# Altium PCB PCB.PcbDoc (part 2 of 4) (continued)
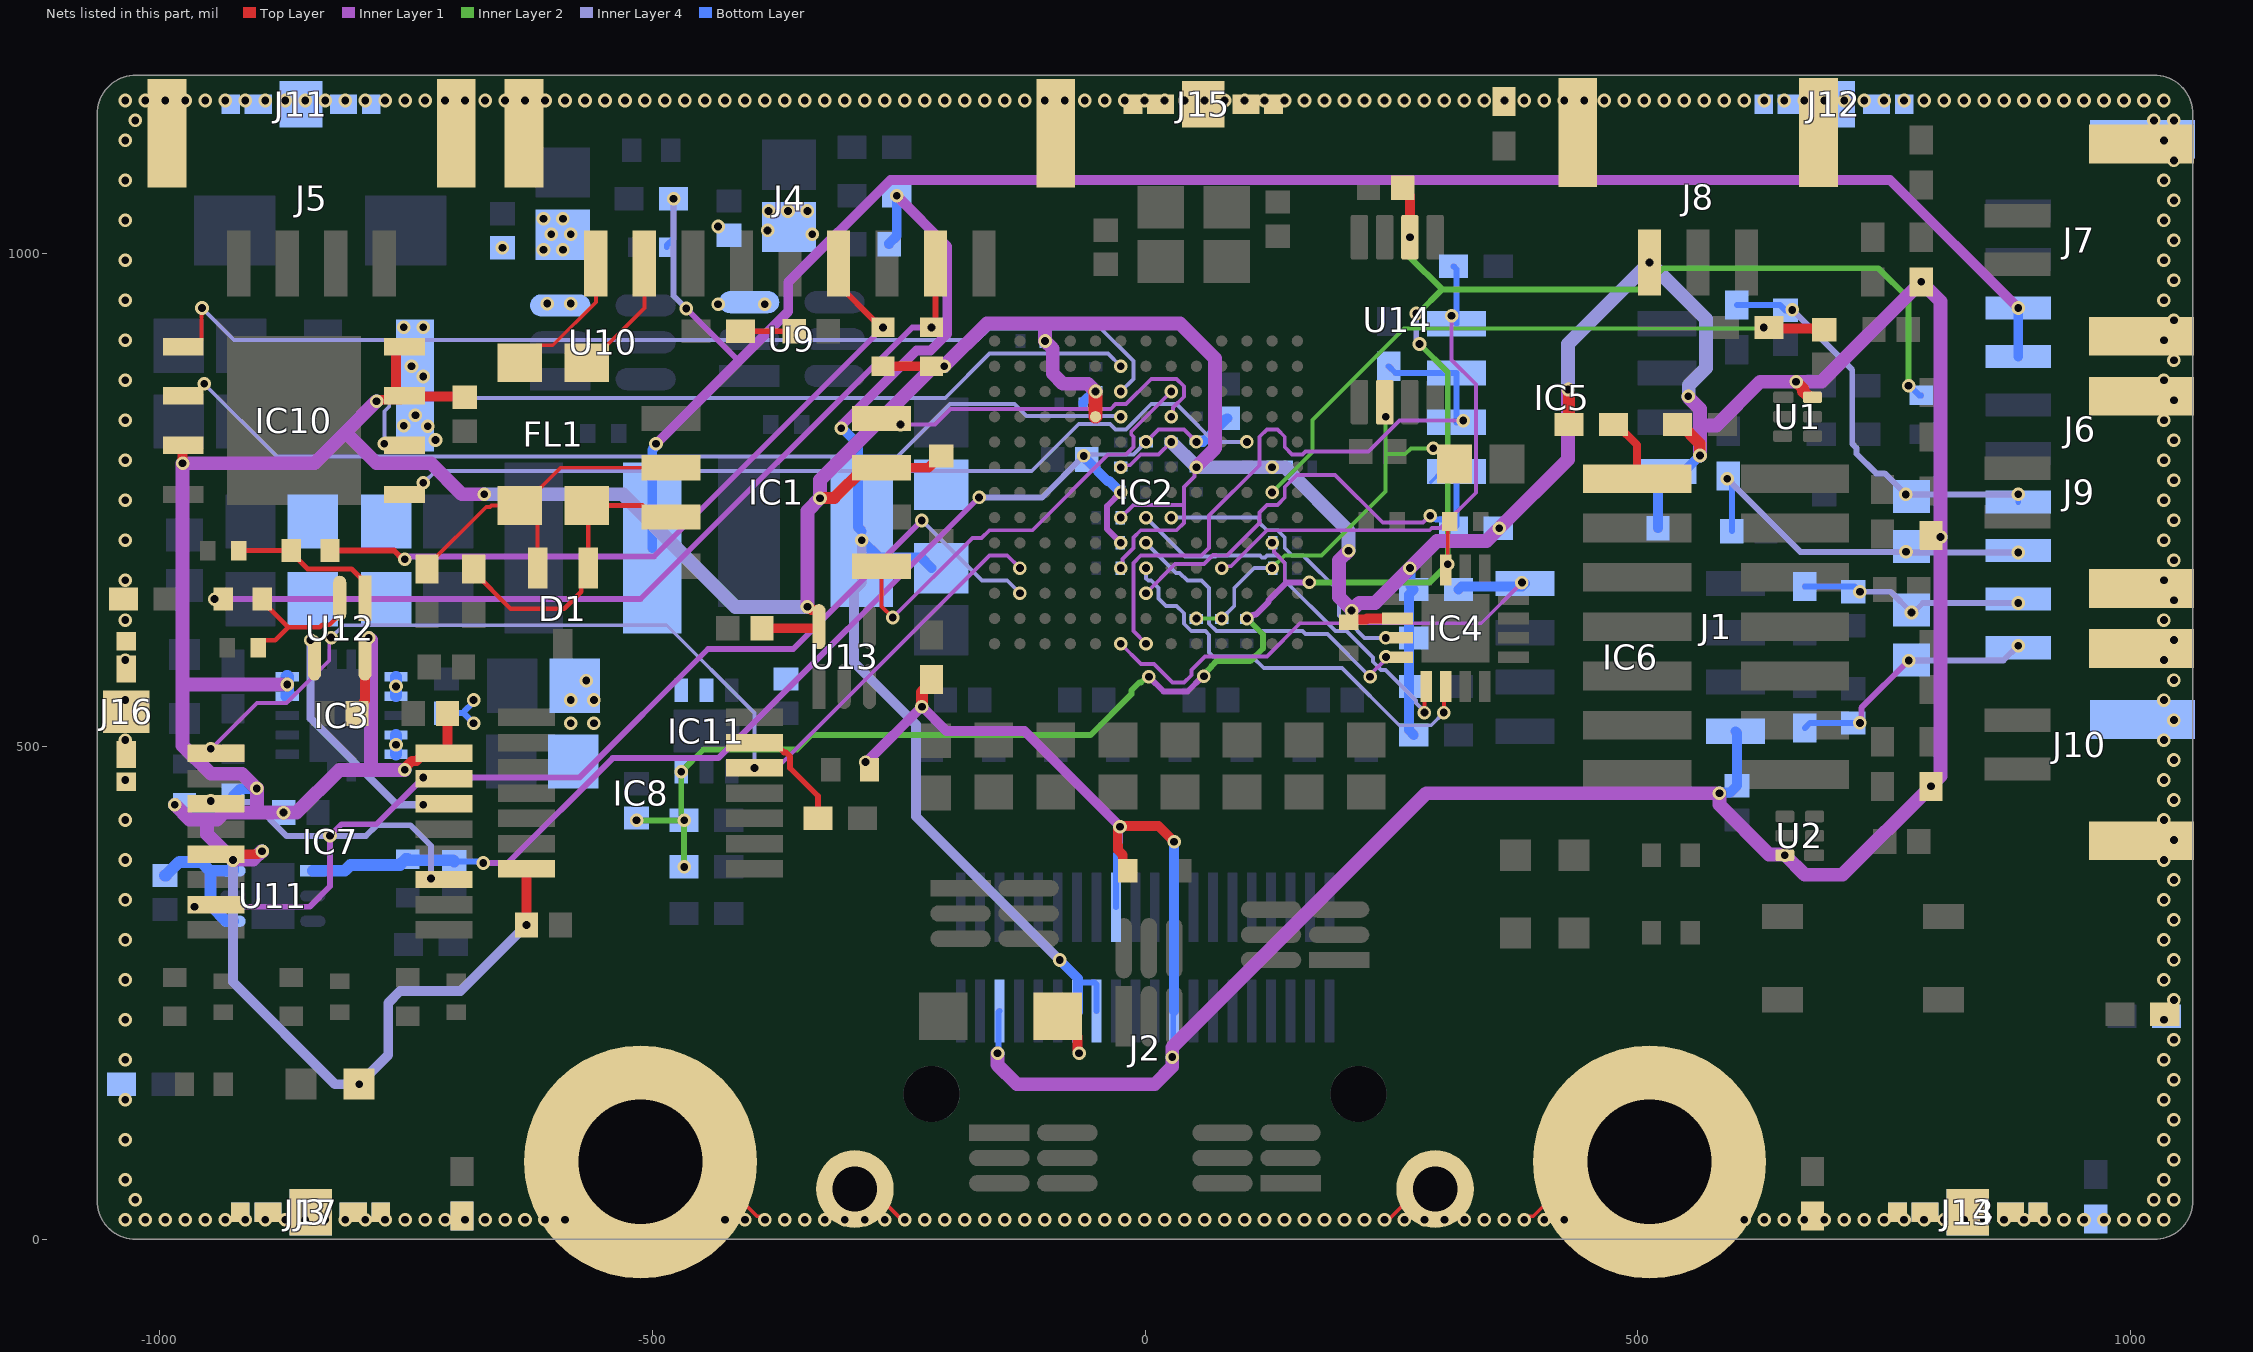
[diagram p6: the nets of this part, all layers, seen from the top]
## Part data (continued)
R62 R64 R65: library part RT0402FRE074K7L, "RES SMD 4.7K OHM 1% 1/16W 0402", Device Package="0402 (1005 Metric)", Manufacturer=Yageo, Operating Temperature="-55°C ~ 155°C", Power (Watts)="0.063W, 1/16W", Supplier Device Package=0402, Supplier Part Number 1=YAG3347CT-ND, Temperature Coefficient=±50ppm/°C, Tolerance=±1%, componentlink1description=Datasheet, componentlink1url=https://www.yageo.com/upload/media/product/productsearch/datasheet/rchip/PYu-RT_1-to-0.01_RoHS_L_11.pdf, ComponentLink2Description="DigiKey Link", ComponentLink2URL=https://www.digikey.com/en/products/detail/yageo/RT0402FRE074K7L/1072052, Composition="Thin Film", Height - Seated (Max)="0.014\" (0.35mm)", lastupdated="8/31/2025 3:04:17 PM", Lifecycle Status=Active, Minimum Order=1, Number of Terminations=2, Package / Case="0402 (1005 Metric)", packaging=TapeAndReel, Part Number=RT0402FRE074K7L, Part Status=Active, partid=3198, price=0.01, Resistance="4.7 kOhms", Series=RT, Size / Dimension="0.039\" L x 0.020\" W (1.00mm x 0.50mm)", Supplier 1=DigiKey
R63: library part 5112, "0402 JUMPER ON TAPE AND REEL", Device Package="0402 (1005 Metric)", Manufacturer="Keystone Electronics", Power (Watts)="0.5W, 1/2W", Supplier Device Package=0402, Supplier Part Number 1=36-5112-1-ND, Tolerance=Jumper, componentlink1description=Datasheet, componentlink1url=http://www.keystoneelectronics.net/ENG._DEPT/WEB_ORACLE/PDF/PDF%20CAT%20NO%20DRAWINGS/5000-5999/5112.PDF, ComponentLink2Description="DigiKey Link", ComponentLink2URL=https://www.digikey.com/en/products/detail/keystone-electronics/5112/9921836, Composition="Metal Element", Height - Seated (Max)="0.020\" (0.50mm)", lastupdated="2/9/2024 8:29:48 PM", Lifecycle Status=Active, Minimum Order=1, Number of Terminations=2, Package / Case="0402 (1005 Metric)", packaging=TapeAndReel, Part Number=5112, Part Status=Active, partid=12597, price=0.16, Resistance="0 Ohms", Series=-, Size / Dimension="0.039\" L x 0.020\" W (1.00mm x 0.50mm)", Supplier 1=DigiKey
R78: library part RC0402JR-07620RL, "RES 620 OHM 5% 1/16W 0402", Device Package="0402 (1005 Metric)", Manufacturer=Yageo, Operating Temperature="-55°C ~ 155°C", Power (Watts)="0.063W, 1/16W", Supplier Device Package=0402, Supplier Part Number 1=311-620JRCT-ND, Temperature Coefficient=±100ppm/°C, Tolerance=±5%, componentlink1description=Datasheet, componentlink1url=https://www.yageo.com/upload/media/product/productsearch/datasheet/rchip/PYu-RC_Group_51_RoHS_L_10.pdf, ComponentLink2Description="DigiKey Link", ComponentLink2URL=https://www.digikey.com/en/products/detail/yageo/RC0402JR-07620RL/726498, Composition="Thick Film", Features="Moisture Resistant", Height - Seated (Max)="0.016\" (0.40mm)", lastupdated="8/31/2025 3:04:15 PM", Lifecycle Status=Active, Minimum Order=1, Number of Terminations=2, Package / Case="0402 (1005 Metric)", packaging=CutTape, Part Number=RC0402JR-07620RL, Part Status=Active, partid=4894, price=0.01, Resistance="620 Ohms", Series=RC_L, Size / Dimension="0.039\" L x 0.020\" W (1.00mm x 0.50mm)", Supplier 1=DigiKey
S1: "Switch", Manufacturer_Name="ALPS Electric", Mouser Part Number=688-SKRPAB, Datasheet Link=https://tech.alpsalpine.com/e/products/detail/SKRPABE010/, Height=2.5mm, Manufacturer_Part_Number=SKRPABE010, Mouser Price/Stock=https://www.mouser.co.uk/ProductDetail/Alps-Alpine/SKRPABE010?qs=m0BA540hBPe1GpcSf%2FZ5Yw%3D%3D
U1 U2: library part CMP-0326-00024-3, "ESD-Protection Array for High-Speed Data Interfaces, 4 Channels, -40 to +85 degC, 6-pin SON (DRY), Green (RoHS & no Sb/Br)", Breakdown Voltage(Min)(V)=6, IO Capacitance(Typ)(pF)=1.6, IO Leakage Current(nA)=1, Manufacturer="Texas Instruments", 1394 / Firewire=TRUE, componentlink1description="Manufacturer URL", componentlink1url=http://www.ti.com/, ComponentLink2Description=Datasheet, ComponentLink2URL=http://www.ti.com/general/docs/lit/getliterature.tsp?genericPartNumber=TPD4E004&fileType=pdf, ComponentLink3Description="URL Link1", ComponentLink3URL=SamplesURL:http://www.ti.com/product/tpd4e004#samples, DatasheetVersion=SLVS729A, Eco-Plan="Green (RoHS & no Sb/Br)", IEC 61000-4-2 Air-Gap(+/- kV)=12, IEC 61000-4-2 Contact(+/- kV)=8, Mounting Technology="Surface Mount", PackageDescription="6-Pin Plastic Small Outline No-Lead, 1 x 1.45 x 0.6 mm Body, 0.5 mm Pitch", PackageReference=DRY0006A, PackageVersion="revF, Dec-2011", PartNumber=TPD4E004DRYR, Serial ATA / eSATA=TRUE, SubFamily="ESD Solution", USB High Speed=TRUE
U3 U4 U5 U6 U7: library part CMP-14432-000006-1, "TVS DIODE 3.3VWM 12VC 6TSSOP", RoHS Compliant=Yes
U9 U10: library part CMP-04918-000439-1, "IC REG BUCK ADJ 2A TSOT23-6", Case/Package=SOT-23-6, Max Input Voltage=28V, Max Operating Temperature=125°C, Min Input Voltage=4.5V, Min Operating Temperature=-40°C, Min Output Voltage=596mV, Output Current=2A, Quiescent Current=40uA, Switching Frequency=500kHz, Lead Free="Lead Free", Max Output Voltage=28V, Mount="Surface Mount", Number Of Outputs=1, Output Configuration=Positive, Output Type=Adjustable, packaging="Tape and Reel", RoHS Compliant=Yes, Synchronous Rectifier=Yes
U11: library part CMP-04917-000114-1, "IC REG LINEAR POS ADJ 1A 6WSON", RoHS Compliant=Yes
U12 U13: library part CMP-0859-00360-4, "IC GATE AND 1CH 2-INP SC70-5", High Level Output Current=-8mA, Low Level Output Current=8mA, Max Operating Temperature=125°C, Max Supply Voltage=5.5V, Min Operating Temperature=-40°C, Min Supply Voltage=1.8V, Output Current=25mA, Package Quantity=3000, Quiescent Current=1uA, Contact Plating=Gold, Lead Free="Lead Free", Logic Function="AND GATE", Mount="Surface Mount", Number of Bits=1, Number Of Circuits=1, Number of Gates=1, Number of Input Lines=2, Number Of Inputs=2, Number of Pins=5, packaging="Tape and Reel", Propagation Delay=7ns, Radiation Hardening=No, RoHS Compliant=Yes, Weight=0.000705oz
U14: library part CMP-0367-00265-2, "Low Noise, Very Low Drift, Precision Voltage Reference, -40 to 125 degC, 8-pin MSOP (DGK), Green (RoHS & no Sb/Br)", Manufacturer="Texas Instruments", Rating=Catalog, Temp Coeff(Max)(ppm/ degree C)=3, Code_JEDEC=MO-187, componentlink1description="Manufacturer URL", componentlink1url=http://www.ti.com/, ComponentLink2Description=Datasheet, ComponentLink2URL=http://www.ti.com/general/docs/lit/getliterature.tsp?genericPartNumber=REF5030&fileType=pdf, ComponentLink3Description="Package Specification", ComponentLink3URL=http://www.ti.com/litv/pdf/mpds028d, DatasheetVersion=SBOS410E, Eco-Plan="Green (RoHS & no Sb/Br)", Initial Accuracy @ 25/deg C(%)=0.05, Iout/Iz(Max)(mA)=10, Iq(Max)(uA)=1000, Mounting Technology="Surface Mount", PackageDescription="8-Pin Thin Small Outline Package 3 x 3 mm Body ,0.65 mm Pitch", PackageReference=DGK0008A, PackageVersion=4073329/E, PartNumber=REF5030IDGKR, SubFamily="Series Voltage Reference", VI(Max)(V)=18, VI(Min)(V)=3.2, VO(V)=3
Y1: library part FA-20H_25.0000MD30Y-C0, "Crystal or Oscillator", Arrow Part Number="FA-20H 25.0000MD30Y-C0", Manufacturer_Name="Epson Timing", Mouser Part Number=732-FA-20H25MD30Y-C0, Arrow Price/Stock=https://www.arrow.com/en/products/fa-20h25.0000md30y-c0/epson-electronics-america, Datasheet Link=https://support.epson.biz/td/api/doc_check.php?dl=brief_FA-20H&lang=en, Height=0.55mm, Manufacturer_Part_Number="FA-20H 25.0000MD30Y-C0", Mouser Price/Stock=https://www.mouser.co.uk/ProductDetail/Epson-Timing/FA-20H-25.0000MD30Y-C0?qs=f9yNj16SXrILXPvNJZKsVQ%3D%3D

## Free pads (board coordinates)
  round 236.22 hole 125.98: 5(-511.81,78.74) 6(511.81,78.74)

## Via types
v1: diameter 13.78, hole 7.87, Top Layer to Bottom Layer, tented both sides, 1477 vias
v2: diameter 13.78/13.78/13.78/13.78/13.78/13.78 (per signal layer), hole 7.87, Top Layer to Bottom Layer, tented both sides, 1 vias

## Nets (pads, with @x,y where several pads share a name; then routed paths per layer and width w, separated by ;. In a path a pad name is that pad's centre, name@x,y a point inside that pad or via, vN(x,y) a via of type N, cw(c..) or ccw(c..) an arc to the next point about the centre after c; other vN are vias at no path point)
+1V2: C3.1 C7.1 C11.1 C13.1 C15.1 C17.1 C42.2 IC2.F5 IC2.F7 IC2.G9 IC2.J9 R20.2 U11.1 | length 1243.3
  Inner Layer 1 w3.94: v1(0.98,809.06) 13.78,821.85 39.37,821.85 v1(52.17,809.06)
  Inner Layer 1 w6: v1(-671.24,381.89) -646.45,381.89 -540.11,488.24 -432.89,488.24 -168.4,752.73 v1(-168.31,752.73) ; v1(-24.61,706.69) -38.43,720.52 -38.43,744.05 v1(-24.61,757.87)
  Inner Layer 4 w3.94: v1(-62.14,794.9) -60.78,796.26 -11.81,796.26 v1(0.98,809.06)
  Inner Layer 4 w6: v1(-168.31,752.73) -104.31,752.73 v1(-62.14,794.9)
  Bottom Layer w6: C42.2@-700.79,383.46 -674.92,383.46 -673.35,381.89 v1(-671.24,381.89)
  Bottom Layer w10: C17.1@-59.06,791.34 -59.06,790.55 -38.1,769.6 -36.33,769.6 v1(-24.61,757.87) ; v1(52.17,809.06) 58.86,809.06 82.87,833.07 C15.1@83.66,833.07
  Bottom Layer w12: U11.1@-844.25,374.02 -811.89,374.02 -805.98,379.92 -755.91,379.92 -750,385.83 R20.2@-748.03,385.83 -746.85,384.65 -701.97,384.65 C42.2@-700.79,383.46
+3V3: C1.1 C4.1 C5.1 C8.1 C9.1 C12.1 C14.1 C16.1 C18.1 C20.1 C21.1 C40.2 C41.2 C58.2 C61.2 C66.2 C67.1 C69.2 C72.1 C79.2 C80.1 D2.2 D6.1 IC1.3 IC2.C13 IC2.E10 IC2.E11 IC2.F4 IC2.F6 IC2.F8 IC2.H9 IC2.J8 IC2.M8 IC3.9 IC3.10 IC4.10 IC5.8 IC6.8 IC7.5 IC7.16 IC8.14 IC10.3 IC10.7 IC10.8 J2.06 J2.17 J2.23 J2.24 J8.1 R3.2 R9.2 R12.2 R17.2 R19.2 R29.2 R32.2 R35.2 R39.2 R45.2 R46.2 R47.2 R48.2 R62.2 R64.2 R65.2 U1.6 U2.6 U11.4 U11.6 U12.5 U13.5 | length 8823
  Top Layer w10: v1(-976.38,787.4) -976.38,805.01 IC10.3@-975.68,805.71 ; IC7.5@-942.44,390.75 -899.64,390.75 -896.69,393.7 v1(-895.67,393.7) ; C67.1@-799.44,533.46 -792.63,540.28 -792.63,545.63 -791.34,546.92 -791.34,606.18 -787.4,610.12 v1(-787.4,610.24) ; v1(-779.53,850.39) -778.5,850.39 -777.05,851.85 -755.13,851.85 IC10.7@-751.27,855.71 -750.62,855.06 -690.73,855.06 C80.1@-690.08,854.41 ; IC10.7@-753.89,855.71 -759.92,861.74 -759.92,901.85 -756.06,905.71 IC10.8@-751.27,905.71 ; v1(-750.96,476.38) -750.96,477.4 -749.07,479.29 -749.07,480.08 -743.84,485.32 -739.07,485.32 -731.28,493.11 IC7.16@-711.1,493.11 -707.6,496.61 C69.2@-707.6,533.46 ; v1(-627.56,318.9) -627.56,375.91 IC8.14@-627.48,375.98 ; C72.1@-388.58,620.08 -332.2,620.08 -330.71,621.57 U13.5@-330.71,621.66 -330.71,637.09 -332.2,638.58 -338.34,638.58 -341.5,641.73 v1(-342.52,641.73) ; IC1.3@-267.24,782.87 -219.49,782.87 -207.48,794.88 C1.1@-206.69,794.88 ; R62.2@-265.75,885.83 R64.2@-216.54,885.83 -216.49,885.87 -203.79,885.87 v1(-203.74,885.92) ; v1(-25.36,418.76) -25.36,417.74 -27.64,415.47 -27.64,400.3 -27.58,400.25 -27.58,395.19 -22.56,390.17 -22.56,378.86 D6.1@-17.72,374.02 ; v1@-25.36,419.35 13.68,419.35 v1(29.51,403.53) ; v1(209.57,637.97) 208.84,637.25 208.84,628.14 C79.2@206.69,625.98 209.57,628.86 224.09,628.86 225.16,629.92 IC4.10@255.91,629.92
  Top Layer w12: v1(-329.72,751.97) -329.38,752.31 -315.03,752.31 -284.47,782.87 IC1.3@-267.24,782.87 ; v1(-226.35,540.5) -226.35,555.15 R9.2@-216.54,564.96 ; v1(429.13,862.2) 429.13,861.72 430.12,860.74 R12.2@430.12,826.77 ; R3.2@540.35,826.77 543.31,826.77 562.65,807.43 562.65,795.62 v1(562.99,795.28) ; v1@551.18,854.83 v1(551.18,855.31) ; v1(660.43,870.17) 660.66,870.17 667.61,863.21 667.61,860.33 673.61,854.33 U1.6@677.17,854.33
  Top Layer w14: IC2.E10@-50.2,834.65 v1(-50.2,860.24)
  Inner Layer 1 w3.94: v1(-24.61,681.1) -22.72,682.99 -22.72,690.48 -11.81,701.39 -11.81,711.99 -4.32,719.49 31.87,719.49 39.37,726.98 39.37,745.08 ; v1(-24.61,732.28) -11.81,745.08 39.37,745.08 ; v1(-24.61,783.46) -22.72,785.35 -15.23,785.35 -4.32,796.26 13.78,796.26 v1(26.57,809.06) ; v1(52.17,783.46) 50.28,781.58 50.28,774.09 39.37,763.17 39.37,745.08
  Inner Layer 1 w10: v1(-283.46,484.25) -283.12,484.59 -282.25,484.59 v1(-226.35,540.5) -201.6,515.75 -122.35,515.75 v1(-25.36,418.76)
  Inner Layer 1 w14: v1(-984.25,440.94) -969.41,426.1 -941.4,426.1 -934.36,433.15 -900.95,433.15 ; -951.62,425.1 -951.62,411.27 v1(-925.2,384.84) -924.86,385.18 -904.67,385.18 -896.15,393.7 v1(-895.67,393.7) ; v1(-870.08,562.99) -976.38,562.99 ; v1(-787.4,610.24) -785.32,608.16 -785.32,476.38 ; v1(-779.53,850.39) -811.02,818.9 ; v1(-750.96,476.38) -751.07,476.27 -765.26,476.27 -765.37,476.38 -785.32,476.38 ; v1(-670.28,755.91) -692.91,755.91 -724.41,787.4 -779.53,787.4 -811.02,818.9 ; v1(-342.52,641.73) -342.52,739.17 v1(-329.72,751.97) -329.72,770.29 -214.09,885.92 v1(-203.74,885.92) -160.42,929.24 -101.61,929.24 ; v1(-149.61,188.98) -149.61,177.17 -129.92,157.48 9.84,157.48 27.55,175.19 v1(27.55,184.97) 27.55,194.87 285.43,452.76 v1(582.68,452.76) 582.68,440.94 633.14,390.49 647.81,390.49 648.53,389.76 649.5,389.76 669.18,370.08 707.68,370.08 v1(797.24,459.65) 797.24,460.13 807.09,469.97 v1(807.09,712.6) 807.09,951.77 v1(787.4,971.46) 686.11,870.17 v1(660.43,870.17) 624.1,870.17 579.71,825.77 562.99,825.77 ; v1(-50.2,860.24) -57.96,868 -83.17,868 -93.61,878.44 -93.61,903.65 v1(-101.38,911.42) -101.38,929.01 -101.61,929.24 ; v1(52.17,783.46) 52.17,783.84 70.87,802.54 70.87,893.7 35.43,929.13 -42.7,929.13 -42.81,929.24 -101.61,929.24 ; v1(206.47,698.59) 196.85,688.98 196.85,651.71 209.57,638.99 v1(209.57,637.97) 217.27,645.67 233.27,645.67 v1(268.7,681.1) 296.26,708.66 346.46,708.66 v1(359.25,721.46) 429.13,791.34 v1(429.13,862.2) ; v1(551.18,855.31) 551.18,854.29 562.99,842.48 562.99,825.77 ; v1(562.99,795.28) 562.99,825.77 ; -976.38,562.99 v1(-976.38,787.4) -842.52,787.4 -811.02,818.9 ; -976.38,562.99 -976.38,501.24 -947.58,472.44 -916.04,472.44 v1(-901.2,457.6) -900.95,457.36 -900.95,433.15 ; -900.95,433.15 -874.09,433.15 v1(-874.02,433.07) -860.62,433.07 -817.31,476.38 -785.32,476.38
  Inner Layer 4 w10: v1(-925.2,384.84) -925.2,261.08 -821.6,157.48 v1(-797.24,157.48) -767.72,187.01 -767.72,240 -755.83,251.89 -694.57,251.89 v1(-627.56,318.9)
  Inner Layer 4 w14: v1(-670.28,755.91) -529.53,755.91 -415.35,641.73 v1(-342.52,641.73) ; v1(26.57,809.06) v1(52.17,783.46) v1(128.94,783.46) 141.73,783.46 206.47,718.73 v1(206.47,698.59) ; v1(429.13,862.2) 429.13,908.46 v1(511.81,991.14) 569.13,933.82 569.13,884.09 551.52,866.48 551.52,855.66 v1(551.18,855.31)
  Bottom Layer w5.91: v1(-149.61,188.98) -148.62,189.96 -148.62,230.71 J2.06@-147.64,231.69 ; J2.17@-29.53,337.01 -29.53,390.98 -25.36,395.14 v1(-25.36,418.76) ; v1(27.55,184.97) 28.54,185.96 28.54,230.71 J2.24@29.53,231.69
  Bottom Layer w10: R17.2@-925.2,449.8 -925.2,450.07 -918.39,456.88 -901.92,456.88 v1(-901.2,457.6) ; C9.1@-62.74,847.44 -62.74,849.25 -51.75,860.24 v1(-50.2,860.24) ; J2.23@29.53,337.01 v1(29.51,403.53) ; J2.24@29.53,231.69 J2.23@29.53,337.01 ; v1(128.94,783.46) C5.1@145.28,783.46 ; v1(268.7,681.1) 269.42,680.38 269.42,662.66 R48.2@272.64,659.45 267.64,654.45 267.64,516.81 R45.2@272.64,511.81 ; C58.2@520.36,721.46 520.36,771.14 528.15,778.94 IC5.8@529.57,778.94 546.8,778.94 562.99,795.13 v1(562.99,795.28) ; v1(582.68,452.76) 583.4,453.48 593.64,453.48 C61.2@600.39,460.24 600.39,514.06 IC6.8@598.9,515.55
  Bottom Layer w12: C41.2@-994.09,369.29 -993.31,369.29 -979.63,382.97 -957.6,382.97 -948.89,374.26 ; U11.4@-925.2,322.83 -931.87,322.83 -947.48,338.45 -947.48,341.36 -948.05,341.92 -948.05,374.02 U11.6@-925.2,374.02 v1(-925.2,384.84)
  Bottom Layer w14: IC3.9@-870.08,551.18 v1(-870.08,562.99) IC3.10@-870.08,570.87
  other v1: 649.02,389.76
+3V3_JTAG: J1.1 R12.1 | length 66.7
  Top Layer w8: R12.1@475.39,826.77 478.35,826.77 499.21,805.91 J1.1@499.21,771.65
+3V3A: C6.1 C10.1 C22.2 C55.2 C78.2 IC2.L2 IC2.M5 IC4.7 IC11.6 R22.2 R76.1 R78.2 U14.2 | length 2192.3
  Top Layer w3.94: IC4.7@305.12,679.13 305.12,683.07 v1(307.09,685.04) ; IC4.7@305.12,685.04 307.09,687.01 307.09,726.38 C55.2@309.06,728.35
  Top Layer w10: C22.2@261.42,1066.93 261.42,1066.14 268.7,1058.86 v1(268.7,1016.73)
  Inner Layer 1 w3.94: v1(128.94,706.69) 130.82,704.81 130.82,697.31 141.73,686.4 141.73,675.8 141.73,668.6 143.7,666.63
  Inner Layer 1 w6: v1(3.94,570.87) 18.84,555.96 43.15,555.96 58.59,571.4 v1(59.72,571.4) ; v1(103.35,629.92) 105.45,629.92 108.87,633.34 110.4,633.34 110.88,633.81 112.34,633.81 125.05,646.52 125.05,647.98 143.7,666.63 v1(166.76,666.63)
  Inner Layer 2 w6: v1(-515.75,425.2) v1(-467.52,425.2) ; v1(-467.52,377.95) v1(-467.52,425.2) ; v1(3.94,570.87) 1.83,570.87 -4.03,565.01 -5.73,565.01 -13.83,556.91 -13.83,553.1 -55.12,511.81 -338.58,511.81 -353.35,497.05 -447.83,497.05 v1(-470.47,474.41) -470.47,430.25 -467.52,427.3 v1(-467.52,425.2) ; v1(59.72,571.4) 59.72,573.5 67.52,581.3 67.52,581.82 72.31,586.61 106.66,586.61 119.61,599.57 119.61,613.66 v1@103.36,629.91 ; v1(166.76,666.63) 288.68,666.63 v1(307.09,685.04) 307.09,879.75 v1(278.48,908.36) ; v1(268.7,1016.73) 268.7,996.55 301.39,963.86 ; v1(275.18,939.3) 276.83,939.3 301.39,963.86 ; v1(774.61,866.14) 774.61,954.59 743.92,985.28 525.51,985.28 504.08,963.86 301.39,963.86
  Inner Layer 4 w6: v1(275.18,939.3) 275.18,913.76 278.48,910.47 v1(278.48,908.36)
  Bottom Layer w6: v1(-515.75,425.2) C78.2@-515.75,427.56 ; v1(774.61,866.14) 775.59,866.14 785.43,856.3 R78.2@787.4,856.3
+5V: C33.2 C34.2 C37.2 C39.2 C77.2 IC3.1 IC3.2 IC3.4 IC3.5 IC11.1 IC11.2 J6.3 J6.4 L2.2 R15.2 | length 2054.6
  Inner Layer 1 w6: v1(-465.43,944.45) -413.69,892.71 -413.69,889.46
  Inner Layer 1 w10: v1(-496.06,807.09) -413.69,889.46 -361.95,941.2 -361.95,971.12 -258.26,1074.8 755.91,1074.8 v1(885.83,944.88)
  Inner Layer 4 w6: v1(-478.28,1055.8) -478.28,957.3 v1(-465.43,944.45)
  Bottom Layer w6: C39.2@-708.66,533.86 -690.55,533.86 ; v1(-681.1,523.62) -681.1,523.76 -690.55,533.21 -690.55,533.86 ; v1(-681.1,547.24) -681.1,545.14 -690.55,535.69 -690.55,533.86 ; C37.2@-485.17,1006.59 -485.17,1008.56 -478.28,1015.45 v1(-478.28,1055.8)
  Bottom Layer w10: L2.2@-499.94,701.47 -499.94,801.11 -496.06,804.98 v1(-496.06,807.09) ; J6.4@885.83,895.67 v1(885.83,944.88)
  Bottom Layer w12: IC3.5@-759.84,492.13 IC3.4@-759.84,511.81 ; IC3.2@-759.84,551.18 IC3.1@-759.84,570.87
  other v1: -759.84,501.97 -582.68,523.62 -559.06,523.62 -582.68,547.24 -559.06,547.24 -759.84,561.02 -566.93,566.93
+12V: C27.2 C28.2 C31.2 D5.1 J2.14 J2.16 L1.2 R13.2 | length 1242.7
  Top Layer w10: D5.1@-68.33,206.12 -68.33,191.4 -66.93,190 v1(-66.93,188.98)
  Inner Layer 1 w10: v1(-308.09,822.83) -308.09,823.86 -307.09,824.86 -307.09,826.77 -232,901.86 -217.49,901.86 -200.71,918.64 -200.71,1007.58 v1(-251.91,1058.77)
  Inner Layer 4 w10: v1(-287.4,709.25) -287.4,665.84 -295.35,657.88 -295.35,585.45 -232.36,522.46 -232.36,429.21 v1(-86.61,283.46)
  Bottom Layer w5.91: J2.14@-67.91,230.71 -67.91,189.96 v1(-66.93,188.98) ; -67.91,264.76 -63.98,260.83 -51.26,260.83 -49.21,258.78 J2.16@-49.21,231.69
  Bottom Layer w10: v1(-308.09,822.83) -307.09,822.83 -291.34,807.09 -291.34,722.44 L1.2@-287.4,718.5 ; v1(-287.4,709.25) -270.16,692.01 -227.44,692.01 C27.2@-216.54,681.1 ; C31.2@-259.58,1009.56 -259.58,1010.35 -251.91,1018.03 v1(-251.91,1058.77) ; v1(-86.61,283.46) -67.91,264.76 J2.14@-67.91,230.71
+24V: C29.2 C30.2 C35.2 C36.2 C44.2 C45.2 C46.2 C47.2 L3.1 U9.3 U10.3
  other v1: -719.78,811.02 -751.97,825.39 -727.75,825.01 -740.16,836.02 -732.28,875.39 -744.09,885.83 -751.97,925.39 -732.28,925.39 -606.3,949.41 -582.68,949.41 -433.07,948.82 -385.83,948.82 -610.24,1003.94 -590.55,1003.94 -651.88,1006 -602.36,1019.69 -337.6,1019.69 -382.87,1023.62 -433.07,1027.56 -610.24,1035.43 -590.55,1035.43 -381.89,1043.31 -362.2,1043.31 -342.52,1043.31
  other v2: -582.68,1019.69
ADC0: C51.2 IC2.M7 R28.1 | length 644.2
  Top Layer w10: R28.1@632.87,925.2 634.06,924.02 687.8,924.02 C51.2@688.98,922.83
  Inner Layer 2 w3.94: v1(128.94,757.87) 169.74,798.68 169.74,831.16 262.8,924.21 626.7,924.21 v1(627.69,925.2)
ADC_CLK: IC2.G6 IC4.13 | length 409.6
  Top Layer w3.94: v1(283.46,534.45) 283.46,559.06 IC4.13@285.43,561.02
  Inner Layer 4 w3.94: v1(0.98,732.28) 40.35,692.91 71.47,692.91 72.46,693.9 116.45,693.9 118.41,691.93 121.67,691.93 123.64,693.9 134.24,693.9 141.73,686.4 141.73,668.62 193.05,617.3 204.55,617.3 231.3,590.55 231.3,586.01 239.55,577.76 244.09,577.76 274.99,546.86 274.99,544.07 283.46,535.6 v1(283.46,534.45)
ADC_CS: IC2.H6 IC4.11 | length 302.4
  Top Layer w3.94: v1(244.09,610.24) IC4.11@255.91,610.24
  Inner Layer 4 w3.94: v1(26.57,732.28) 113.84,732.28 116.14,729.98 116.14,726.98 123.64,719.49 134.24,719.49 141.73,711.99 141.73,701.39 149.23,693.9 160.43,693.9 196.77,657.56 196.77,632.67 204.27,625.17 207.81,625.17 222.75,610.24 v1(244.09,610.24)
ADC_MISO: IC2.G5 IC4.12 | length 331.6
  Inner Layer 1 w3.94: v1(228.35,570.87) 228.35,572.83 244.47,588.96 v1(244.47,590.93)
  Inner Layer 4 w3.94: v1(0.98,706.69) 31.5,676.18 35.14,676.18 43.01,668.31 57.47,668.31 64.96,660.81 64.96,624.62 72.46,617.13 83.06,617.13 159.83,617.13 162.78,614.17 185.04,614.17 v1(228.35,570.87)
ADC_MOSI: IC2.G4 IC4.14 | length 430.1
  Top Layer w3.94: v1(303.15,534.45) 303.15,559.06 IC4.14@305.12,561.02
  Inner Layer 4 w3.94: v1(0.98,681.1) 0.98,670.61 3.29,668.31 6.28,668.31 13.78,660.81 13.78,650.21 21.28,642.72 31.87,642.72 39.37,635.22 39.37,624.62 46.87,617.13 61.32,617.13 64.96,613.49 64.96,595.39 68.81,591.54 108.65,591.54 120.46,579.72 199.8,579.72 257.87,521.65 290.35,521.65 v1(303.15,534.45)
AREF_4: C43.2 C53.2 C54.2 C63.2 IC2.J2 IC2.K2 IC2.M4 U14.6 | length 410.7
  Top Layer w3.94: v1(292.32,802.56) 298.23,802.56 313.98,786.81 C43.2@313.98,786.67
  Inner Layer 2 w3.94: v1(52.17,629.92) v1(77.76,629.92) ; v1(128.94,681.1) 141.73,693.9 179.13,693.9 244.09,758.86 244.09,796.75 ; v1(244.09,834.65) 244.09,796.75 ; v1(292.32,802.56) 269.78,802.56 263.97,796.75 244.09,796.75
  Inner Layer 4 w3.94: v1(77.76,629.92) 90.55,642.72 90.55,650.21 90.55,660.81 110.84,681.1 v1(128.94,681.1)
CAN_N: FL1.1 J4.1 | length 142.2
  Top Layer w3.94: FL1.1@-634.45,889.37 -616.73,907.09 -600.79,907.09 -557.09,950.79 J4.1@-557.09,990.16
CAN_P: FL1.4 J4.2 | length 126.7
  Top Layer w3.94: FL1.4@-566.34,889.37 -563.39,889.37 -507.87,944.88 J4.2@-507.87,990.16
CAN_RX: IC1.1 IC2.H11 | length 446.5
  Top Layer w3.94: IC1.1@-267.24,682.87 -267.24,642.24 v1(-255.91,630.91)
  Inner Layer 1 w3.94: v1(-255.91,630.91) -175.2,711.61 -165.73,711.61 -157.86,719.49 -114.17,719.49 -37.4,796.26 -19.31,796.26 -11.81,803.76 -11.81,814.35 -13.93,816.47 -13.93,819.73 v1(26.57,860.24)
CAN_S_3_N: D1.2 FL1.2 IC1.6 R2.1 | length 358
  Top Layer w3.94: R2.1@-728.35,680.12 -728.35,683.07 -668.31,743.11 -664.37,743.11 -662.99,744.49 FL1.2@-634.45,744.49 ; FL1.2@-632.68,743.31 -616.14,726.77 D1.2@-616.14,681.1 ; FL1.2@-631.5,744.49 -593.11,782.87 IC1.6@-480.79,782.87
CAN_S_3_P: D1.1 FL1.3 IC1.7 R1.1 | length 316.1
  Top Layer w4.72: R1.1@-681.1,680.12 -681.1,677.17 -643.7,639.76 -589.05,639.76 -571.88,656.94 -571.88,674.18 D1.1@-564.96,681.1 -564.96,743.11 FL1.3@-566.34,744.49 -509.63,744.49 -498.01,732.87 IC1.7@-480.79,732.87
CAN_TX: IC1.4 IC2.H10 | length 367.6
  Top Layer w3.94: IC1.4@-267.24,832.87 -254.13,832.87 v1(-248.03,826.77)
  Inner Layer 1 w3.94: v1(-248.03,826.77) -212.93,826.77 -197.18,842.52 -34.83,842.52 -29.91,847.44 -19.31,847.44 6.28,873.03 31.87,873.03 39.37,865.54 39.37,854.94 28.46,844.02 28.46,836.53 v1(26.57,834.65)
CHASSIS: J2.S1 J2.S2 J3.1 J4.10 J4.11 J5.5 J5.6 J6.MP1 J6.MP2 J7.3 J7.4 J8.4 J8.5 J9.3 J9.4 J10.3 J10.4 J11.1 J12.1 J13.1 J14.1 J15.1 J16.1 J17.1 pad.5 pad.6 R66.2 R67.2 R68.2 R69.2 R70.2 R71.2 R72.2 R73.2 R74.2 R75.2 R77.2 | length 424
  Top Layer w3.94: pad.5@-511.81,78.74 -448.96,78.74 -393.81,23.6 -385.66,23.6 v1@-383.78,21.72 ; J2.S2@-294.29,51.18 -278.11,51.18 -248.64,21.72 v1@-245.98,21.72 ; v1@246.14,21.72 248.81,21.72 278.27,51.18 J2.S1@294.29,51.18 ; v1@383.94,21.72 385.82,23.6 393.81,23.6 448.96,78.74 pad.6@511.81,78.74
  other v1: -1034.47,20.01 -1014.2,20.01 -993.92,20.01 -973.64,20.01 -953.37,20.01 -933.09,20.01 -912.82,20.01 -892.54,20.01 -872.27,20.01 -851.99,20.01 -831.72,20.01 -811.44,20.01 -791.16,20.01 -770.89,20.01 -750.61,20.01 -730.34,20.01 -710.06,20.01 -689.79,20.01 -669.51,20.01 -649.23,20.01 -628.96,20.01 -608.68,20.01 -588.41,20.01 -426.2,20.01 -405.93,20.01 -385.65,20.01 -365.38,20.01 -345.1,20.01 -324.83,20.01 -304.55,20.01 -284.27,20.01 -264,20.01 -243.72,20.01 -223.45,20.01 -203.17,20.01 -182.9,20.01 -162.62,20.01 -142.34,20.01 -122.07,20.01 -101.79,20.01 -81.52,20.01 -61.24,20.01 -40.97,20.01 -20.69,20.01 -0.42,20.01 19.86,20.01 40.14,20.01 60.41,20.01 80.69,20.01 100.96,20.01 121.24,20.01 141.51,20.01 161.79,20.01 182.06,20.01 202.34,20.01 222.62,20.01 242.89,20.01 263.17,20.01 283.44,20.01 303.72,20.01 323.99,20.01 344.27,20.01 364.55,20.01 384.82,20.01 405.1,20.01 425.37,20.01 607.85,20.01 628.13,20.01 648.4,20.01 668.68,20.01 688.95,20.01 709.23,20.01 729.51,20.01 749.78,20.01 770.06,20.01 790.33,20.01 810.61,20.01 830.88,20.01 851.16,20.01 871.44,20.01 891.71,20.01 911.99,20.01 932.26,20.01 952.54,20.01 972.81,20.01 993.09,20.01 1013.36,20.01 1033.64,20.01 -1024.33,40.29 1023.5,40.29 1043.78,40.29 -1034.47,60.56 1033.64,60.56 1043.78,80.84 -1034.47,101.12 1033.64,101.12 1043.78,121.39 -1034.47,141.67 1033.64,141.67 1043.78,161.94 -1034.47,182.22 1033.64,182.22 1043.78,202.49 -1034.47,222.77 1033.64,222.77 1043.78,243.04 -1034.47,263.32 1033.64,263.32 1043.78,283.6 -1034.47,303.87 1033.64,303.87 1043.78,324.15 -1034.47,344.42 1033.64,344.42 1043.78,364.7 -1034.47,384.97 1033.64,384.97 1043.78,405.25 -1034.47,425.53 1033.64,425.53 1043.78,445.8 -1034.47,466.08 1033.64,466.08 1043.78,486.35 -1034.47,506.63 1033.64,506.63 1043.78,526.9 -1034.47,547.18 1033.64,547.18 1043.78,567.45 -1034.47,587.73 1033.64,587.73 1043.78,608.01 -1034.47,628.28 1033.64,628.28 1043.78,648.56 -1034.47,668.83 1033.64,668.83 1043.78,689.11 -1034.47,709.38 1033.64,709.38 1043.78,729.66 -1034.47,749.93 1033.64,749.93 1043.78,770.21 -1034.47,790.49 1033.64,790.49 1043.78,810.76 -1034.47,831.04 1033.64,831.04 1043.78,851.31 -1034.47,871.59 1033.64,871.59 1043.78,891.86 -1034.47,912.14 1033.64,912.14 1043.78,932.42 -1034.47,952.69 1033.64,952.69 1043.78,972.97 -1034.47,993.24 1033.64,993.24 1043.78,1013.52 -1034.47,1033.79 1033.64,1033.79 1043.78,1054.07 -1034.47,1074.34 1033.64,1074.34 1043.78,1094.62 -1034.47,1114.9 1033.64,1114.9 -1024.33,1135.17 1023.5,1135.17 1043.78,1135.17 -1034.47,1155.45 -1014.2,1155.45 -993.92,1155.45 -973.64,1155.45 -953.37,1155.45 -933.09,1155.45 -912.82,1155.45 -892.54,1155.45 -872.27,1155.45 -851.99,1155.45 -831.72,1155.45 -811.44,1155.45 -791.16,1155.45 -770.89,1155.45 -750.61,1155.45 -730.34,1155.45 -710.06,1155.45 -689.79,1155.45 -669.51,1155.45 -649.23,1155.45 -628.96,1155.45 -608.68,1155.45 -588.41,1155.45 -568.13,1155.45 -547.86,1155.45 -527.58,1155.45 -507.31,1155.45 -487.03,1155.45 -466.75,1155.45 -446.48,1155.45 -426.2,1155.45 -405.93,1155.45 -385.65,1155.45 -365.38,1155.45 -345.1,1155.45 -324.83,1155.45 -304.55,1155.45 -284.27,1155.45 -264,1155.45 -243.72,1155.45 -223.45,1155.45 -203.17,1155.45 -182.9,1155.45 -162.62,1155.45 -142.34,1155.45 -122.07,1155.45 -101.79,1155.45 -81.52,1155.45 -61.24,1155.45 -40.97,1155.45 -20.69,1155.45 -0.42,1155.45 19.86,1155.45 40.14,1155.45 60.41,1155.45 80.69,1155.45 100.96,1155.45 121.24,1155.45 141.51,1155.45 161.79,1155.45 182.06,1155.45 202.34,1155.45 222.62,1155.45 242.89,1155.45 263.17,1155.45 283.44,1155.45 303.72,1155.45 323.99,1155.45 344.27,1155.45 364.55,1155.45 384.82,1155.45 405.1,1155.45 425.37,1155.45 445.65,1155.45 465.92,1155.45 486.2,1155.45 506.47,1155.45 526.75,1155.45 547.03,1155.45 567.3,1155.45 587.58,1155.45 607.85,1155.45 628.13,1155.45 648.4,1155.45 668.68,1155.45 688.95,1155.45 709.23,1155.45 729.51,1155.45 749.78,1155.45 770.06,1155.45 790.33,1155.45 810.61,1155.45 830.88,1155.45 851.16,1155.45 871.44,1155.45 891.71,1155.45 911.99,1155.45 932.26,1155.45 952.54,1155.45 972.81,1155.45 993.09,1155.45 1013.36,1155.45 1033.64,1155.45
CLK+: C60.2 J6.10 R30.2 R44.2 | length 261.2
  Inner Layer 1 w6: v1(725.2,524.02) 726.69,525.5 726.69,539.24 v1(774.69,587.25)
  Inner Layer 4 w6: v1(774.69,587.25) 870.71,587.25 v1(885.83,602.36)
  Bottom Layer w6: R44.2@669.29,518.7 674.61,524.02 v1(725.2,524.02) ; J6.10@885.83,600.39 v1(885.83,602.36)
CLK-: C62.1 J6.9 R30.1 R49.2 | length 235.4
  Inner Layer 4 w6: v1(725.2,657.09) 756.45,657.09 v1(777.51,636.02) 779.62,636.02 789.26,645.67 v1(885.83,645.67)
  Bottom Layer w6: R49.2@669.29,662.4 719.88,662.4 v1(725.2,657.09) ; v1(885.83,645.67) J6.9@885.83,649.61
DAT+: C57.2 J6.8 R38.2 R40.2 | length 388.1
  Inner Layer 4 w6: v1(590.55,771.65) 664.66,697.55 772.06,697.55 774.17,699.66 774.17,698.28 775.6,696.85 v1(885.83,696.85) ; v1(772,697.55) v1@772,701.72
  Bottom Layer w6: v1(590.55,771.65) 595.28,766.93 C57.2@595.28,718.5
DAT-: C59.1 J6.7 R40.1 R43.2 | length 420.6
  Inner Layer 4 w6: v1(656.65,943.01) 717.47,882.19 717.47,807.13 721.83,802.77 721.83,797.07 741.71,777.19 750.29,777.19 v1(771.65,755.83) ; v1@771.65,755.91 771.69,755.87 v1(885.83,755.91) v1(885.83,755.91)
  Bottom Layer w6: R43.2@600.39,947.83 644.29,947.83 C59.1@649.61,942.52 655.12,942.52 655.61,943.01 v1(656.65,943.01) ; J6.7@885.83,748.03 v1(885.83,755.91)
E\X\T\_14: IC7.14 U12.4 | length 251.6
  Top Layer w8: v1(-732.28,440.94) -731.3,441.93 IC7.14@-711.1,441.93
  Inner Layer 4 w8: v1(-846.46,608) -846.46,528.44 -758.96,440.94 v1(-732.28,440.94)
ENC_CLK: IC2.F1 IC6.4 R48.1 | length 538.4
  Inner Layer 1 w3.94: v1(-24.61,604.33) -3.94,583.66 9.24,583.66 28.03,564.87 39.46,564.87 46.96,572.36 46.96,573.35 47.05,573.44 47.05,577.84 60.74,591.54 123.64,591.54 157.17,625.06 341.03,625.06 v1(382.3,666.34)
  Bottom Layer w10: R48.1@317.91,659.45 320.96,662.5 382.3,662.5 IC6.4@385.35,665.55
ENC_ENDAT: IC2.G1 IC5.2 IC5.3 R41.2 | length 674.7
  Inner Layer 1 w3.94: v1(0.98,604.33) -11.81,617.13 -11.81,686.4 -4.32,693.9 57.47,693.9 64.96,701.39 64.96,734.25 116.12,785.41 116.12,803.74 ; 116.14,803.76 116.14,814.35 123.64,821.85 134.24,821.85 141.73,814.35 141.73,803.76 149.23,796.26 159.83,796.26 162.78,799.21 226.76,799.21 258.25,830.71 v1(322.83,830.71)
  Bottom Layer w3.94: IC5.2@316.03,828.94 317.8,830.71 v1(322.83,830.71)
  Bottom Layer w6: R41.2@247.13,885.83 254.02,878.94 IC5.3@316.03,878.94 IC5.2@316.03,828.94
ENC_MISO: IC2.G3 IC5.1 R39.1 | length 492
  Inner Layer 1 w3.94: v1(0.98,655.51) 30.51,685.04 59.74,685.04 68.9,694.19 72.16,694.19 72.46,693.9 83.06,693.9 116.14,726.98 116.14,737.58 123.64,745.08 134.24,745.08 141.73,752.57 141.73,763.17 154.15,775.59 192.91,775.59 241.14,727.36 282.11,727.36 289.02,734.27 v1(289.34,734.27)
  Bottom Layer w3.94: IC5.1@289.88,768.11 300.71,778.94 IC5.1@316.03,778.94
  Bottom Layer w6: v1(289.34,734.27) 291.45,734.27 295.44,730.27 304.26,730.27 R39.1@313.08,721.46 316.03,724.41 IC5.1@316.03,778.94
ENC_MOSI: IC2.K4 IC5.4 R42.2 | length 538.7
  Inner Layer 1 w3.94: v1(77.76,681.1) 79.64,682.99 87.13,682.99 123.64,719.49 288.84,719.49 290.91,721.57 299.66,721.57 335.63,757.54 335.63,867.57 311.02,892.18 v1(311.02,937.01)
  Bottom Layer w6: R42.2@313.08,987.2 316.03,984.25 IC5.4@316.03,928.94
EXT_1_FILTERED_14: C74.2 R60.2 U12.1 | length 156.7
  Top Layer w5: C74.2@-919.29,698.82 R60.2@-866.14,698.82 ; R60.2@-866.14,696.85 -849.45,680.16 -804.8,680.16 -791.34,666.7 U12.1@-791.34,650.4
EXT_2_FILTERED_14: C75.2 R61.2 U12.2 | length 153.5
  Top Layer w4.72: C75.2@-899.61,600.39 -899.61,602.36 -894.09,607.87 -882.53,607.87 -869.22,621.19 ; R61.2@-895.67,649.61 -895.67,647.64 -869.22,621.19 ; U12.2@-816.93,650.4 -816.93,634.1 -827.31,623.72 -834.64,623.72 -837.17,621.19 -869.22,621.19
EXT_FAULT: IC2.B4 IC7.1 IC8.5 | length 1072.3
  Inner Layer 1 w3.94: v1(-947.83,497.91) -946.97,497.91 -900.86,544.02 -870.8,544.02 -827.55,587.27 -827.55,608.65 v1(-825.66,610.53) ; v1(-396.14,478.35) -373.41,478.35 -157.86,693.9 -139.76,693.9 v1(-126.97,681.1)
  Inner Layer 4 w3.94: v1(-825.66,610.53) -813.16,623.03 -485.24,623.03 -396.14,533.94 v1(-396.14,478.35)
EXT_FAULT_1_1: J4.6 R60.1 R62.1 | length 747
  Top Layer w5.91: R60.1@-826.77,698.82 -761.97,698.82 -753.11,689.96 v1(-750.98,689.96) ; J4.6@-311.02,990.16 -311.02,968.5 -274.61,932.09 -272.64,932.09 v1(-265.75,925.2)
  Inner Layer 1 w5.91: v1(-750.98,689.96) -748.85,689.96 -745.9,692.91 -498.03,692.91 v1(-265.75,925.2)
EXT_FAULT_2_1: J4.8 R61.1 R64.1 | length 908.1
  Top Layer w5.91: v1(-216.54,925.2) -212.6,929.13 J4.8@-212.6,990.16
  Inner Layer 1 w5.91: v1(-943.9,649.61) -511.81,649.61 -236.22,925.2 v1(-216.54,925.2)
F\A\U\L\T\: C81.2 R27.1 | length 54.5
  Top Layer w5.91: R27.1@-410.43,921.26 C81.2@-355.91,921.26
F\a\u\l\t\_14: IC8.6 R63.1 | length 116.4
  Top Layer w6: IC8.6@-396.14,503.94 -375.96,503.94 -366.17,494.14 -364.23,494.14 -360.17,490.08 -360.17,478.28 -331.69,449.8 R63.1@-331.69,427.17
FAULT_RST: IC2.B3 IC7.3 IC7.7 IC7.11 IC7.15 | length 1367.4
  Top Layer w5.91: v1(-964.31,337.6) -962.35,339.57 IC7.7@-942.44,339.57
  Inner Layer 1 w5.91: v1(-964.31,337.6) -847.43,337.6 -826.77,358.27 v1(-826.77,409.45) -815.04,421.18 -779.61,421.18 v1(-732.28,468.5) -573.82,468.5 -443.41,598.92 -356.81,598.92 v1(-226.4,729.33)
  Inner Layer 4 w3.94: v1(-226.4,729.33) -165.37,668.31 -157.86,668.31 -139.76,668.31 v1(-126.97,655.51)
  Inner Layer 4 w5.91: v1(-947.83,444.88) -946.77,443.82 -905.44,443.82 -871.06,409.45 v1(-826.77,409.45) -790.34,409.45 -779.51,420.28 -745.21,420.28 -724.41,399.47 v1(-724.41,366.14)
FLASH_CLK: IC2.F12 IC10.6 | length 813.3
  Inner Layer 4 w3.94: v1(-771.65,807.09) -771.65,840.17 -766.73,845.09 -766.73,851.38 -764.31,853.8 -202.69,853.8 -157.86,898.62 -119.47,898.62 -81.09,898.62 -44.9,898.62 -37.4,898.62 v1(-24.61,885.83)
FLASH_CS: IC2.F11 IC10.1 | length 1067.1
  Top Layer w3.94: IC10.1@-975.68,905.71 -963.87,905.71 -956.98,912.6 -956.98,944.59 v1(-956.69,944.88)
  Inner Layer 4 w3.94: v1(-956.69,944.88) -924.21,912.4 -169.67,912.4 -157.86,924.21 -44.9,924.21 -11.81,891.13 -11.81,873.03 v1(-24.61,860.24)
FLASH_MISO: IC2.F10 IC10.2 | length 1015.8
  Top Layer w3.94: IC10.2@-975.68,855.71 -963.87,855.71 -956.32,863.26 -956.32,866.23 v1(-954.44,868.11)
  Inner Layer 4 w3.94: v1(-954.44,868.11) -880.62,794.29 -251.05,794.29 -197.9,847.44 -132.27,847.44 -120.08,835.25 -25.21,835.25 v1(-24.61,834.65)
FLASH_MOSI: IC2.L9 IC10.5 | length 915.9
  Top Layer w3.94: IC10.5@-751.27,755.71 -739.46,755.71 -732.57,762.6 -732.57,767.43 v1(-732.28,767.72)
  Inner Layer 4 w3.94: v1(-732.28,767.72) -731.47,767.72 -719.55,779.64 -114.93,779.64 -67.19,827.38 -35.43,827.38 -29.91,821.85 -19.31,821.85 6.28,847.44 21.27,847.44 ; 21.28,847.44 31.87,847.44 38.54,840.78 70.26,809.06 v1(103.35,809.06)